# Altium PCB pcb_88.PcbDoc (part 2 of 3)
Units mil, origin at the board's own origin, x right, y up, seen from the top; angles counter-clockwise.
Board outline 3464.57 x 3464.57 mil, 4 copper layers (Top Layer, Layer 1, Layer 2, Bottom Layer), stack 61.772 mil thick; 395 components, 296 nets, 1218 pads, 390 vias.
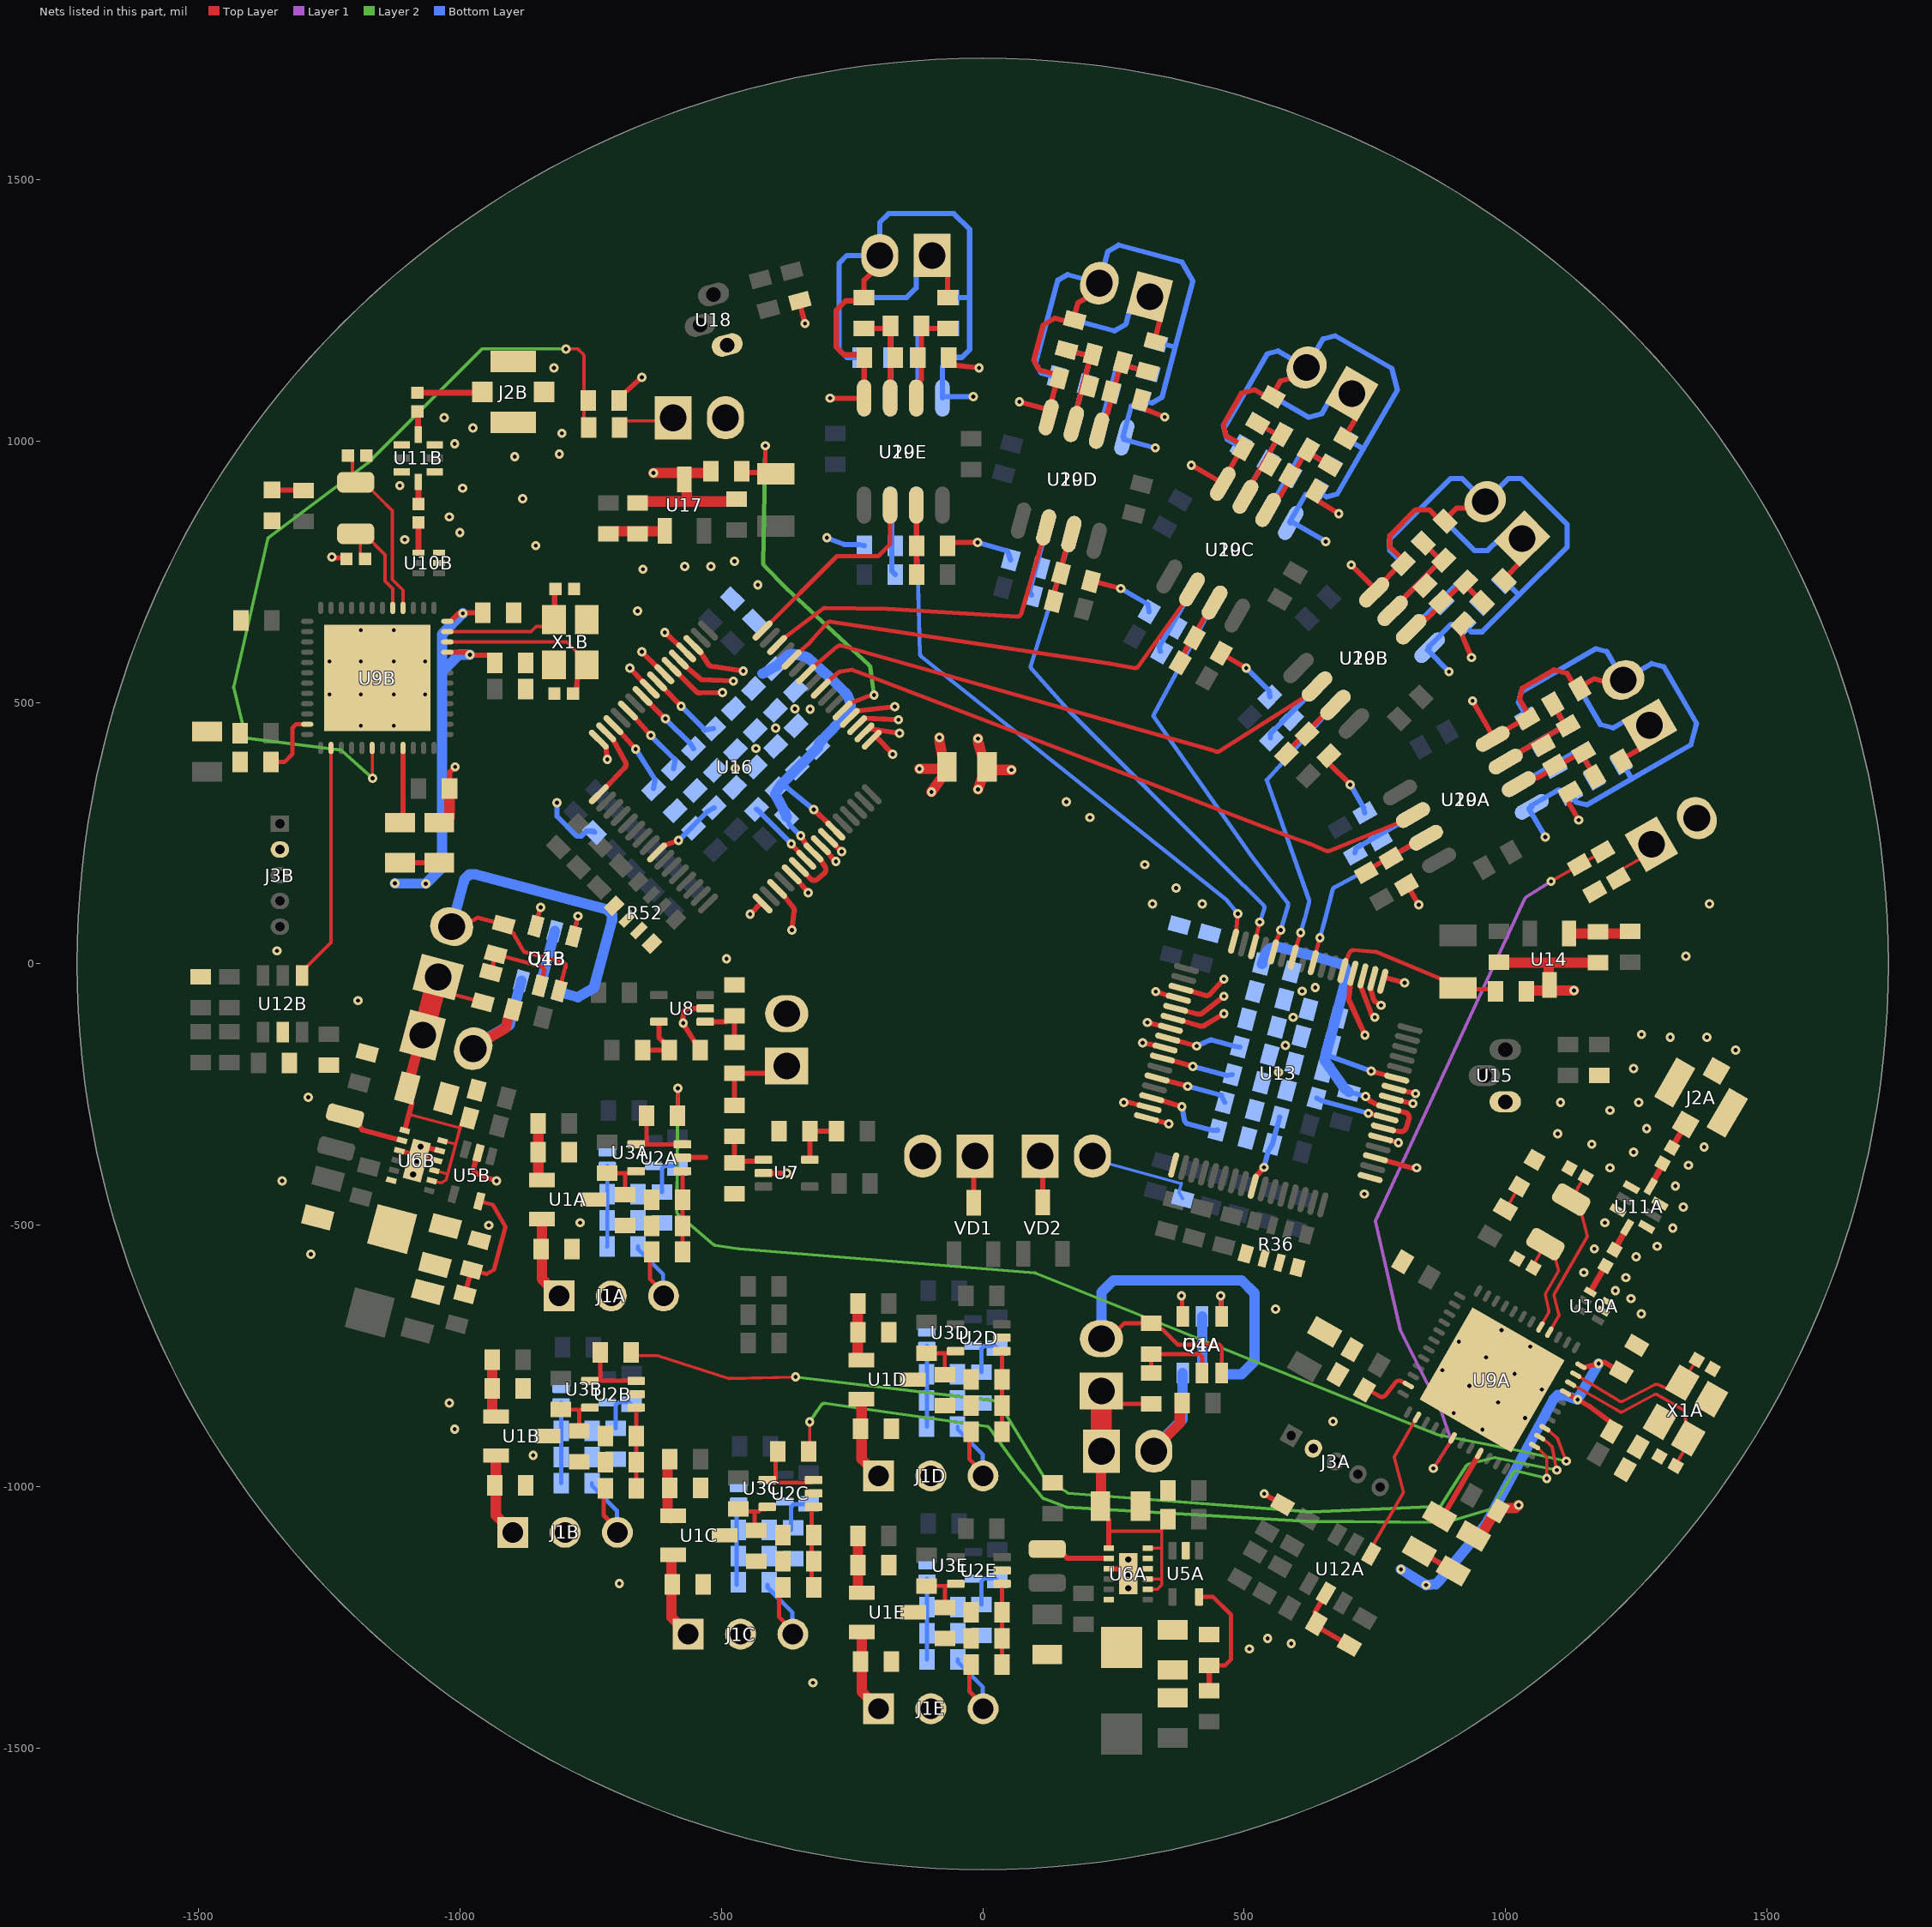
[diagram p4: the nets of this part, all layers, seen from the top]

## Via types
v1: diameter 17.72, hole 7.87, Top Layer to Bottom Layer, tented both sides, 360 vias
v2: diameter 17.72, hole 7.87, Top Layer to Bottom Layer, 24 vias
v3: diameter 19.68, hole 11.81, Top Layer to Bottom Layer, 6 vias

## Nets (pads, with @x,y where several pads share a name; then routed paths per layer and width w, separated by ;. In a path a pad name is that pad's centre, name@x,y a point inside that pad or via, vN(x,y) a via of type N, cw(c..) or ccw(c..) an arc to the next point about the centre after c; other vN are vias at no path point)
AGND: B1.2 C36.1 C37.1 C38.1 C39.1 C40.1 C41.1 C44.1 C45.1 C46.1 C47.2 C48.2 C49.2 C50.2 C51.1 C52.1 C53.1 C54.1 C55.1 C56.1 C59.1 C60.1 C61.1 C62.2 C63.2 C64.2 C65.2 C66A.1 C66B.1 C66C.1 C66D.1 C66E.1 C67A.1 C67B.1 C67C.1 C67D.1 C67E.1 C69A.2 C69B.2 C69C.2 C69D.2 C69E.2 C70A.1 C70B.1 C70C.1 C70D.1 C70E.1 C71A.1 C71B.1 C71C.1 C71D.1 C71E.1 C73A.2 C73B.2 C73C.2 C73D.2 C73E.2 P8A.2 P8B.2 P8C.2 P8D.2 P8E.2 R38.2 R51.2 R56A.1 R56B.1 R56C.1 R56D.1 R56E.1 R60A.1 R60B.1 R60C.1 R60D.1 R60E.1 U13.1 U13.2 U13.3 U13.4 U13.20 U13.23 U13.25 U13.32 U13.53 U13.57 U13.58 U14.3 U16.1 U16.2 U16.3 U16.4 U16.20 U16.23 U16.25 U16.32 U16.53 U16.57 U16.58 U17.3 U19A.4 U19B.4 U19C.4 U19D.4 U19E.4 U20A.4 U20B.4 U20C.4 U20D.4 U20E.4 | length 10372.8
  Top Layer w10: U16.32@-734.29,428.92 -721.06,415.7 v1(-718,391) ; v1(-675,566) -650.07,539.58 U16.25@-636.85,526.36 ; v1(-652,597) -622.24,567.42 U16.23@-609.01,554.2 ; v1(-608,634) -580.48,609.18 U16.20@-567.25,595.96 ; U16.53@-365.42,171.41 -352.2,158.19 -336.36,139.43 -336,139 v1(-334,136) ; U16.57@-309.74,227.09 -296.52,213.87 -285.54,199.36 -283,196 v1(-281,196) ; U16.58@-295.82,241.01 -282.6,227.79 v1(-270,215) ; v1(-292,1082) -227,1082 U20E.4@-227,1082.36 -226.76,1082.6 -226.76,1159.76 C73E.2@-226.53,1160 -231.53,1165 -265,1165 -280,1180 -280,1250 -261.69,1268.31 -233.21,1268.31 R60E.1@-227,1274.53 -227,1307.77 -197,1337.77 P8E.2@-197,1355 ; U16.4@-254.07,470.68 -240.84,483.91 v1(-168,492) ; U16.3@-240.15,456.76 -226.92,469.99 v1(-161,467) ; U16.2@-226.23,442.84 -218.75,450.32 -218,449.56 -209.49,448.33 v1(-159,441) ; U16.1@-212.31,428.92 -205.62,435.62 -170,400 v1(-172,401) ; C70E.1@-67.47,800 -57.71,806 v1(-10,806) ; C71E.1@-64.91,1160 -55.15,1145.32 v1(-7,1140) ; v1(70,1075) U20D.4@127.31,1059.65 ; U20D.4@123.52,1046.42 U20D.4@123.81,1046.58 ; U20D.4@125.99,1045.75 129.55,1059.04 U20D.4@127.31,1059.65 ; C70D.1@207,731.72 216.82,730.64 v1(264,718) ; P8D.2@223.06,1302 218.6,1285.36 181.86,1264.15 173.25,1232.04 165.64,1227.64 138.14,1235.01 115.71,1222.06 97.59,1154.45 108.2,1136.07 140.53,1127.41 144.07,1121.29 143.78,1121.12 U20D.4@127.31,1059.65 ; C71D.1@302.65,1078.79 308.28,1062.08 v1(348,1046) ; v1(306,-151) 330.7,-156.14 U13.25@348.77,-160.98 ; U13.32@313.1,-294.08 331.17,-298.92 v1(356,-306) ; v1(315,-112) 340.89,-118.11 U13.23@358.96,-122.95 ; v1(331,-53) 356.18,-61.07 U13.20@374.24,-65.91 ; v1(399,954) U20C.4@457.61,920.16 ; C70C.1@456.25,594.1 464.47,588.82 v1(504,566) ; U20C.4@457.06,919.68 457.38,919.77 U20C.4@457.61,920.16 ; U20C.4@459.27,918.4 459.62,919 U20C.4@457.61,920.16 ; P8C.2@619.35,1140.79 610.74,1125.87 569.76,1114.89 553.14,1086.1 544.65,1083.83 519.99,1098.06 494.98,1091.36 459.98,1030.74 465.47,1010.25 494.45,993.51 496.28,986.68 495.96,986.59 U20C.4@457.61,920.16 ; C71C.1@638.46,904.59 639.57,886.99 v1(681,861) ; C70B.1@661.9,398.3 661.71,384.29 v1(703,343) ; 700.27,-65.34 ccw(c710.22,-66.32) 701.12,-70.46 v1(731,-136) ; 700.27,-65.31 703.27,-35.87 U13.4@708.11,-17.8 ; v1(705,763) U20B.4@751.36,716.64 ; U13.3@727.12,-22.9 722.28,-40.96 743.43,-95.93 ccw(c752.77,-92.34) 749.09,-101.64 v1(750,-102) ; U13.2@746.14,-27.99 741.3,-46.06 746.98,-66.34 ccw(c756.61,-63.64) 751.16,-72.03 v1(762,-79) ; U20B.4@746.95,712.57 U20B.4@747.29,712.57 ; U20B.4@748.76,710.76 753,715 U20B.4@751.36,716.64 ; U13.53@761.31,-332.65 779.37,-337.49 v1(795,-342) ; U13.1@765.15,-33.09 767.23,-25.34 v1(807,-36) ; U13.57@781.68,-256.6 799.75,-261.44 v1(823,-267) ; U13.58@786.78,-237.58 804.84,-242.42 v1(828,-248) ; C70A.1@810.53,151.02 816.55,143.22 v1(834,113) ; C71B.1@918.27,651.05 914.79,633.76 v1(935,586) ; v1(937,503) U20A.4@976.87,433.95 ; P8B.2@960.95,884.14 948.77,871.96 906.34,871.96 882.83,848.46 874.05,848.46 853.91,868.59 828.01,868.59 778.52,819.09 778.52,797.88 802.19,774.21 802.19,767.14 801.85,767.14 U20B.4@751.36,716.64 ; U20A.4@974.02,432.58 974.34,432.49 U20A.4@976.87,433.95 ; U20A.4@975.3,430.36 978.03,431.94 U20A.4@976.87,433.95 ; C71A.1@1123.58,328.81 1117.48,314.01 v1(1140,275) ; P8A.2@1225.13,542.91 1210.21,534.3 1169.23,545.28 1140.44,528.66 1131.95,530.93 1117.71,555.59 1092.7,562.29 1032.08,527.3 1026.58,506.8 1043.32,477.82 1041.49,470.99 1041.17,471.07 U20A.4@976.87,433.95
  Top Layer w20: C60.1@-660.56,881.92 -650.88,884.6 -565.56,884.6 ; v1(-630,939) -524.85,939 R51.2@-520.09,942.39 ; U17.3@-570.56,926.61 -566.78,912 -565.56,884.6 ; C59.1@-470.56,889.36 -480.25,884.6 -565.56,884.6 ; v1(-9,334) -0.31,358.46 B1.2@8.39,377 ; v1(-9,431) ccw(c10.81,428.22) v1@-8.37,422.54 ; v1@-8.36,422.5 -0.31,395.54 B1.2@8.39,377 ; v1(55,371) 17.09,371 B1.2@8.39,377 ; C44.1@987.54,3.11 997.23,2.22 1082.39,2.22 ; R38.2@1039.84,-52.37 1044.61,-51 v1(1131,-51) ; U14.3@1084,-40.43 1082.39,-25.82 1082.39,2.22 ; C45.1@1177.25,2.17 1167.56,2.22 1082.39,2.22
  Bottom Layer w10: v1(-298,815) -265.71,802.65 ccw(c-262.15,812) -262.15,802 -236.29,802 C66E.1@-226.53,800 ; C67E.1@-226.53,1160 -260,1160 -275,1175 -275,1340 -260,1355 P8E.2@-197,1355 -197,1418 -180,1435 -55,1435 -25,1405 -25,1274.53 ; U19E.4@-77,1082.36 U19E.4@-77,1085 ; R56E.1@-65,1274.53 -25,1274.53 ; v1(-18,1085) U19E.4@-77,1085 ; v1(-10,806) 47.73,789.6 C66D.1@53.36,772.89 ; C67D.1@144.07,1121.29 111.73,1129.95 101.13,1148.32 143.83,1307.7 162.21,1318.31 P8D.2@223.06,1302 239.36,1362.85 260.18,1374.87 380.92,1342.52 402.14,1305.78 368.37,1179.75 ; v1(264,718) 315.63,688.19 C66C.1@318.5,673.63 ; U19D.4@268.4,1007.59 284.24,1066.7 298.36,1074.85 299.33,1078.48 299.63,1079.6 303.82,1078.48 324.24,1073.01 342.61,1083.62 368.37,1179.75 ; U19D.4@270.88,1006.93 269.86,1003.12 v1(330,987) ; R56D.1@329.73,1190.11 368.37,1179.75 ; C67C.1@496.28,986.68 467.3,1003.42 461.81,1023.91 544.31,1166.8 564.8,1172.29 P8C.2@619.35,1140.79 650.85,1195.35 674.08,1201.57 782.33,1139.07 793.31,1098.09 728.08,985.1 ; v1(504,566) 547.43,522.57 C66B.1@549.44,510.77 ; U19C.4@586.96,844.68 617.55,897.67 633.3,901.89 635.76,906.15 639.77,903.84 657.82,893.42 678.31,898.91 728.08,985.1 ; U19C.4@589.17,843.4 590.55,845.79 v1(656,808) ; R56C.1@693.43,1005.1 728.08,985.1 ; v1(703,343) 728.6,298.66 C66A.1@731,288.77 ; C67B.1@802.18,767.14 778.52,790.81 778.52,812.02 895.19,928.69 916.4,928.69 P8B.2@960.95,884.14 1005.5,928.69 1029.54,928.69 1117.93,840.3 1117.93,797.88 1025.67,705.62 ; U19B.4@853.02,606.51 896.28,649.77 912.59,649.77 916.07,653.25 920.54,648.78 934.08,635.24 955.29,635.24 1025.67,705.62 ; U19B.4@854.83,604.7 850.57,600.43 v1(892,559) ; R56B.1@997.39,733.9 1025.67,705.62 ; C67A.1@1041.49,470.99 1024.75,499.98 1030.24,520.47 1173.14,602.97 1193.63,597.47 P8A.2@1225.13,542.91 1279.69,574.42 1302.91,568.19 1365.41,459.94 1354.43,418.96 1241.44,353.72 ; U19A.4@1049.02,302.67 1102.01,333.27 1117.76,329.05 1121.01,330.93 1122.02,331.51 1125.77,325.01 1134.75,309.45 1155.25,303.96 1241.44,353.72 ; U19A.4@1050.3,300.46 1044.7,297.22 v1(1076,243) ; R56A.1@1221.44,388.36 1241.44,353.72 ; U19E.4@-77,1085 -77,1143.55 -65.47,1155.08 C69E.2@-65.47,1160 -40,1160 -25,1175 -25,1274.53
  other v1: 566,-207 579,-156 594,-102 611,-52 636,-45 -473,374 -434,412 -396,451 -330,487 -359,488
AIN1P_A: U13.16 U19E.6 | length 1124.9
  Top Layer w8: U13.16@479.94,43.34 484.78,61.4 v1(488,96)
  Bottom Layer w8: U19E.6@-127,877.64 -127,855.98 -120.09,593.72 ccw(c-112.09,593.93) -117.1,587.69 ; -117.08,587.67 465.93,123.16 v1(488,96)
AIN1P_B: U16.16 U20E.6 | length 387.2
  Top Layer w8: U16.16@-421.1,637.72 -278.81,780 -200,780 -177,803 U20E.6@-177,877.64
AIN2P_A: U13.14 U19D.6 | length 967
  Top Layer w8: U13.14@522.81,51.21 v1(530,80)
  Bottom Layer w8: U19D.6@169.6,822.12 163.99,801.21 92.34,571.35 ccw(c99.98,568.97) 93.99,563.66 167.87,481.15 ccw(c173.83,486.49) 168.14,480.86 464.01,184.99 535.97,113.5 cw(c530.72,107.47) 538.32,104.96 v1(530,80)
AIN2P_B: U16.14 U20D.6 | length 647.8
  Top Layer w8: U16.14@-380.04,623.1 -358.62,639.85 cw(c-347,625) -358.34,640.07 -306.14,679.33 cw(c-301.31,672.95) -301.21,680.95 ; -301.17,680.95 -182.17,679 cw(c-182.3,671) -181.85,678.99 65.54,664.38 ccw(c65.97,672.37) 69.58,665.23 69.74,665.31 ccw(c66.13,672.45) 73.78,670.11 73.79,670.16 115.69,814.15 U20D.6@121.3,835.06
AIN3P_A: U13.12 U19C.6 | length 785.4
  Top Layer w8: U13.12@555.99,22.96 560.83,41.02 v1(570,65)
  Bottom Layer w8: U19C.6@443.51,691.1 432.69,672.35 326.17,474.37 514.91,205.13 ccw(c521.44,209.75) 515.1,204.87 582.47,118.26 cw(c576.15,113.35) 583.82,111.08 ; v1(570,65) 583.81,111.05
AIN3P_B: U16.12 U20C.6 | length 880.8
  Top Layer w8: U16.12@-365.42,582.04 U16.12@-352.26,595.2 ; U16.12@-352.23,595.23 cw(c-346.63,589.51) U16.12@-351.93,595.51 ; U16.12@-351.93,595.51 -334.53,610.86 ccw(c-347,625) -332.86,612.53 -316.14,631.47 cw(c-302,619) -316.09,631.54 -298.06,651.79 cw(c-292.09,646.47) -297.74,652.13 cw(c-292.09,646.47) -290.9,654.39 239.84,575.02 cw(c238.66,567.11) 240.07,574.99 cw(c238.72,567.1) 240.14,574.97 289.91,565.93 ccw(c291.3,573.8) 294.55,566.49 294.67,566.55 ccw(c291.42,573.86) 297.88,569.14 ; 297.91,569.18 389.38,697.35 U20C.6@400.21,716.1
AIN4P_A: U13.10 U19B.6 | length 552
  Top Layer w8: U13.10@594.02,12.77 598.86,30.83 v1(608,60)
  Bottom Layer w8: v1(608,60) 616.05,86.53 ccw(c598,92) 616.24,87.2 618.76,96.8 cw(c637,92) 618.78,96.87 624.29,117.49 cw(c632.02,115.43) 624.3,117.54 ; 624.32,117.58 ccw(c616.61,119.73) 624.15,122.4 543.14,351.69 659.4,479.98 U19B.6@674.71,495.29
AIN4P_B: U16.10 U20B.6 | length 1063.8
  Top Layer w8: U16.10@-337.58,554.2 -324.36,567.42 -278.26,607.19 cw(c-273.03,601.13) -270.86,608.83 434.82,410.05 ; 434.85,410.04 cw(c432.65,402.35) 435.18,409.94 446.3,406.23 ; 446.33,406.22 ccw(c448.83,413.82) 453.11,407.06 624.04,515.33 U20B.6@639.36,530.65
AIN5P_A: U13.8 U19A.6 | length 349.4
  Top Layer w8: U13.8@632.05,2.58 636.89,20.64 v1(645,50)
  Bottom Layer w8: v1(645,50) 655.18,87 ccw(c637,92) 655.27,87.34 669.1,141.59 cw(c676.86,139.61) 669.12,141.65 ; 669.13,141.68 cw(c676.86,139.61) 673.06,146.66 829.25,230.57 U19A.6@848,241.4
AIN5P_B: U16.8 U20A.6 | length 1223.7
  Top Layer w8: U16.8@-309.74,526.36 -296.52,539.58 -275.79,557.46 cw(c-270.56,551.4) -271.66,559.32 -249.4,562.4 -211.76,548.4 569.9,250.04 ccw(c572.79,257.5) 570.02,249.99 624.74,230.09 624.79,230.07 cw(c621.97,222.59) 624.9,230.03 625.05,229.98 cw(c622.12,222.53) 625.23,229.9 656.81,216.37 ccw(c659.93,223.74) 660.07,215.74 660.25,215.74 ccw(c660.09,223.74) 663.04,216.3 ; 663.07,216.31 804.25,273.87 U20A.6@823,284.7
AIN6N_A: R37.2 R38.1 U13.5 | length 333.4
  Top Layer w8: U13.5@689.09,-12.71 693.93,5.36 701.65,21.95 cw(c708.9,18.57) 709.55,26.55 751.66,23.11 ; 751.68,23.11 cw(c751.01,15.14) 754.09,22.52 877.75,-29.14 R37.2@909.18,-45.81 940.61,-48.69 970.03,-48.69 R38.1@980.79,-52.37
AIN6N_B: R50.2 R51.1 U16.5 | length 762.2
  Top Layer w8: v1(-416,991) -416,954.26 R50.2@-395.56,937.59 ; U16.5@-267.98,484.6 -254.76,497.82 -219.74,511.71 cw(c-216.79,504.27) -218.22,512.14 v1(-208,514)
  Top Layer w10: R51.1@-461.03,942.39 -451.27,939.82 -426,939.82 R50.2@-395.56,937.59
  Layer 2 w8: -417.69,761.64 cw(c-411.94,767.2) -419.94,767.38 v1(-416,991) ; -417.66,761.61 -375.16,718.16 ccw(c-369.41,723.73) -374.89,717.9 ; -374.86,717.87 -217.12,570.97 cw(c-222.57,565.12) -214.64,566.15 v1(-208,514)
DoneA: U9A.26 U12A.4 | length 293
  Top Layer w6: U12A.4@742.87,-1128.64 740.96,-1121.51 804.94,-1010.7 786.78,-942.93 U9A.26@830.53,-867.15
DoneB: U9B.26 U12B.4 | length 457.9
  Top Layer w6: U12B.4@-1301.67,-21.96 -1301.67,-14.08 -1246.58,41 U9B.26@-1246.58,413.14
GND: B1.1 C1A.1 C1B.1 C1C.1 C1D.1 C1E.1 C2A.1 C2B.1 C2C.1 C2D.1 C2E.1 C3A.1 C3B.1 C3C.1 C3D.1 C3E.1 C4A.2 C4B.2 C4C.2 C4D.2 C4E.2 C5A.1 C5B.1 C5C.1 C5D.1 C5E.1 C6A.1 C6B.1 C6C.1 C6D.1 C6E.1 C7A.2 C7B.2 C7C.2 C7D.2 C7E.2 C8A.1 C8B.1 C8C.1 C8D.1 C8E.1 C10A.1 C10B.1 C11A.1 C11B.1 C12A.1 C12B.1 C13A.1 C13B.1 C14A.1 C14B.1 C15A.1 C15B.1 C16A.1 C16B.1 C17A.1 C17B.1 C18A.1 C18B.1 C19A.1 C19B.1 C20A.1 C20B.1 C21A.1 C21B.1 C22A.1 C22B.1 C25A.1 C25B.1 C26A.1 C26B.1 C27A.1 C27B.1 C28A.1 C28B.1 C29A.1 C29B.1 C30A.2 C30B.2 C31A.1 C31B.1 C32.1 C33.1 C34.1 C35.1 C42.2 C43.2 C57.2 C58.2 C74.2 C75.2 C76.1 C77.1 D2.2 D3.2 J1A.2 J1B.2 J1C.2 J1D.2 J1E.2 J2A.2 J2A.3 J2A.4 J2B.2 J2B.3 J2B.4 J3A.2 J3B.2 P1A.2 P1B.2 P2.2 P3.2 P4.2 P5.2 P7.2 Q1A.3 Q1B.3 R9A.2 R9B.2 R11A.1 R11B.1 R14A.1 R14B.1 R18A.1 R18B.1 R34.2 R36.5 R36.6 R36.7 R36.8 R39.2 R47.2 R49.2 R52.5 R52.6 R52.7 R52.8 R66.2 R67.2 U1A.3 U1B.3 U1C.3 U1D.3 U1E.3 U2A.2 U2B.2 U2C.2 U2D.2 U2E.2 U3A.2 U3B.2 U3C.2 U3D.2 U3E.2 U5A.2 U5B.2 U6A.3 U6A.10 U6A.11 U6A.13 U6B.3 U6B.10 U6B.11 U6B.13 U7.2 U8.2 U9A.49 U9B.49 U10A.5 U10A.6 U10B.5 U10B.6 U11A.1 U11A.3 U11A.5 U11A.7 U11B.1 U11B.3 U11B.5 U11B.7 U12A.2 U12B.2 U13.31 U13.33 U13.41 U13.49 U13.51 U15.1 U16.31 U16.33 U16.41 U16.49 U16.51 U18.1 X1A.2 X1A.4 X1B.2 X1B.4 | length 2787.6
  Top Layer w10: v1(-1245.05,778.05) -1243.57,776.57 -1218.91,776.57 C29B.1@-1217.05,774.72 ; U6B.3@-1115.89,-356.85 -1111.35,-358.6 -1092.18,-363.73 v3(-1082.31,-376.04) -1067.61,-370.32 -1048.45,-375.45 U6B.10@-1043.64,-376.21 ; v3(-1075.18,-349.42) -1062.52,-351.3 -1043.35,-356.44 U6B.11@-1038.54,-357.2 ; C18B.1@-1019.81,335.39 -1019.81,366.33 v1(-1009.14,377) ; U5B.2@-964.57,-361.54 -968.77,-372.56 -973.32,-389.56 ccw(c-963.66,-392.15) -967.04,-401.56 v1(-930,-415) ; U16.33@-734.29,324.53 -721.06,337.75 -685.15,374.73 ccw(c-692.33,381.7) -683.54,386.47 ; U16.31@-720.37,442.84 -707.14,429.62 -683.56,386.5 ; C35.1@-695.21,1077.48 -685.45,1092.17 v1(-652,1122) ; U2B.2@-662.73,-822.95 U2B.2@-651,-824.82 ; U16.41@-622.93,213.17 -609.71,226.4 -588,234.27 ccw(c-591.41,243.67) -586.73,234.84 cw(c-582.05,226) v1(-582,236) ; U2A.2@-574.39,-370.71 -562.65,-370 -530,-370 ; v1@-574.23,-106.13 ccw(c-564.41,-108.06) v1(-572.94,-113.28) -550.24,-150.32 C77.1@-540.47,-165 ; v1@-574.22,-106.09 -571.62,-93.08 cw(c-561.8,-95) -561.8,-85 -542.44,-85 U8.2@-530.71,-85 ; v1(-445,95) -422.68,117.32 U16.49@-421.1,115.74 ; U7.2@-419.29,-400 v1(-375,-400) ; U16.51@-393.26,143.58 -380.04,130.35 -362.6,108.29 ; v1(-365,65) -360.52,100.84 ccw(c-370.44,102.08) -362.57,108.25 ; C74.2@-349.99,1268.07 -348.66,1258.32 -340.34,1227.25 -340,1226 v1(-340,1225) ; U6A.3@241.03,-1156.63 245.87,-1157.14 265.72,-1157.14 v3(278.43,-1166.47) ; 280,-265 300.14,-270.22 U13.31@318.2,-275.06 ; U13.41@517.42,-425.25 522.26,-407.18 v1(538,-389) ; v1@538.25,-1012.61 538.61,-1013.96 C30A.2@573.56,-1034.14 ; U12A.2@656.34,-1203.7 635.8,-1239.29 640.58,-1257.13 C31A.1@638.11,-1261.39 639.77,-1267.58 R18A.1@701.21,-1303.05 ; U13.51@751.12,-370.68 769.18,-375.52 818.66,-389.62 ; 818.68,-389.62 ccw(c821.4,-380) 821.4,-390 v1(830,-390)
  Top Layer w20: C20B.1@-1039.34,270.39 -1029.5,270.39 -1019.81,280.07 C18B.1@-1019.81,335.39 ; P1B.2@-974.68,-162.13 -973.64,-158.24 -912.76,-123.09 -904.09,-90.73 R9B.2@-898.26,-87.36 ; v1(-121,373) -77.09,373 B1.1@-68.39,377 ; v1(-98,329) -77.09,358.46 B1.1@-68.39,377 ; v1(-83,433) -83,429.81 ccw(c-63,429.81) v1@-82.68,426.23 ; v1@-82.68,426.22 -77.09,395.54 B1.1@-68.39,377 ; P1A.2@327.03,-932 327.03,-927.97 376.74,-878.26 376.74,-844.76 R9A.2@381.5,-840 ; C20A.1@938.63,-1094.4 953.48,-1092.93 977.11,-1052 C18A.1@986.08,-1046 991.6,-1040.47 1019.53,-1040.47 v1(1025,-1035)
  Bottom Layer w6: P5.2@210.05,-367.58 210.05,-373.48 380,-420 375.39,-437.2 R34.2@382.67,-449.26
  Bottom Layer w10: v1(-814.4,308.6) -814.4,282.4 -776.14,244.14 -767.86,244.14 -758.21,253.79 -744.41,253.79 R47.2@-742.27,251.65 ; v1(-582,236) -526.86,291.14 C57.2@-513.59,298.64 ; v1(538,-389) 546.32,-357.95 C43.2@554.11,-344.83 557.91,-330.65 564.13,-307.44 C42.2@567.93,-293.25
  Bottom Layer w20: P1B.2@-974.68,-162.13 -973.15,-156.43 -905.39,-117.3 Q1B.3@-882.59,-32.21 ; P1A.2@327.03,-932 327.03,-926.09 382.36,-870.76 Q1A.3@382.36,-782.67
  other v1: -325,-1375 510,-1310 590,-1300 545,-1290 -695,-1185 538.43,-1013.29 -860,-940 -1010,-890 670,-875 -1020,-840 1259.84,-669.29 560,-660 1240,-640 1210,-625 1230,-600 1150,-590 1250,-560 -1285,-555 1170,-545 1290,-540 1320,-505 -945,-500 -770,-495 1190,-495 1340,-465 730,-440 1325,-425 -1340,-415 1200,-390 1350,-385 1245,-360 1380,-350 1165,-345 1100,-325 1270,-315 1200,-280 270,-265 1105,-265 1255,-265 -1290,-255 1245,-200 1440,-165 1315,-140 1385,-140 1260,-135 -1195,-70 -490,10 1345,15 -1350,25 325,115 420,115 1390,115 370,145 310,190 205,280 160,310 -660,675 -430,725 -650,755 -570,760 -520,760 -475,770 -855,800 -1105.65,811.48 -1000,825 -1020,855 -880,890 -995,910 -1115,915 -895,970 -810,975 -1010,995 -805,1015 -975,1025 -1030,1045 -820,1140
  other v2: 955.8,-890.61 1037.63,-868.68 901.01,-858.97 985.76,-838.73 1069.26,-813.89 930.96,-807.1 1017.39,-783.94 879.09,-777.15 962.6,-752.3 1047.34,-732.06 910.72,-722.35 992.55,-700.43 -1189.63,455.46 -1126.37,455.46 -1249.54,515.37 -1189.63,515.37 -1126.37,515.37 -1066.46,515.37 -1249.54,578.63 -1189.63,578.63 -1126.37,578.63 -1066.46,578.63 -1189.63,638.54 -1126.37,638.54
  other v3: 278.43,-1194.03 278.43,-1138.91 -1089.44,-402.66
NetBT1A_1: BT1A.1 C10A.2 P1A.1 R8A.1 R10A.2 U6A.1 U6A.8 U6A.9 U6A.12 | length 729.7
  Top Layer w6: 241.03,-1090.06 246.09,-1085 342.12,-1085 ; U6A.8@315.83,-1196 334,-1196 342.12,-1187.88 342.12,-1175 ; U6A.9@315.83,-1176.32 340.8,-1176.32 342.12,-1175 ; U6A.12@315.83,-1117.26 339.86,-1117.26 342.12,-1115 ; R10A.2@353.88,-1062 342.12,-1073.76 342.12,-1085 ; 342.12,-1175 342.12,-1115 ; 342.12,-1115 342.12,-1085
  Top Layer w8: BT1A.1@227.03,-817 251.56,-841.53 R8A.1@322.03,-841.53
  Top Layer w10: C10A.2@225.02,-1037 225.02,-1046.84 241.03,-1062.85 241.03,-1090.06 U6A.1@241.03,-1117.26
  Top Layer w20: C10A.2@225.02,-1037 226.43,-1018.46 226.43,-963.34 P1A.1@227.03,-932
  Top Layer w40: P1A.1@227.03,-932 BT1A.1@227.03,-817
NetBT1A_2: BT1A.2 C9A.1 Q1A.1 U4A.6 | length 917.4
  Top Layer w8: BT1A.2@227.03,-717 240.96,-717 270.49,-687.47 C9A.1@322.03,-687.47 332.8,-698.24 343.24,-698.24 373,-728 452.48,-728 457.17,-732.69 U4A.6@457.17,-782.67
  Bottom Layer w20: BT1A.2@227.03,-717 227.03,-627.97 250,-605 495,-605 520,-630 520,-760 495,-785 458.98,-785 457.17,-783.19 Q1A.1@457.17,-782.67
NetBT1B_1: BT1B.1 C10B.2 P1B.1 R8B.1 R10B.2 U6B.1 U6B.8 U6B.9 U6B.12 | length 729.8
  Top Layer w6: -1098.66,-292.54 -1092.47,-288.97 -999.71,-313.82 ; U6B.8@-1053.83,-414.24 -1036.28,-418.94 -1026.34,-413.2 -1023,-400.76 ; U6B.9@-1048.73,-395.22 -1024.61,-401.69 -1023,-400.76 ; U6B.12@-1033.45,-338.18 -1010.24,-344.4 -1007.47,-342.8 ; R10B.2@-982.39,-294.65 -996.8,-302.97 -999.71,-313.82 ; -1023,-400.76 -1007.47,-342.8 ; -1007.47,-342.8 -999.71,-313.82
  Top Layer w8: BT1B.1@-1041.51,-25.17 -1024.17,-55.21 R8B.1@-956.1,-73.45
  Top Layer w10: U6B.1@-1105.7,-318.82 -1098.66,-292.54 -1091.62,-266.27 -1102.94,-246.66 C10B.2@-1100.39,-237.15
  Top Layer w20: C10B.2@-1100.39,-237.15 P1B.1@-1078.74,-156.34
  Top Layer w40: P1B.1@-1078.74,-156.34 P1B.1@-1071.28,-136.25 BT1B.1@-1041.51,-25.17
NetBT1B_2: BT1B.2 C9B.1 Q1B.1 U4B.6 | length 922.8
  Top Layer w8: BT1B.2@-1015.63,71.42 -1002.17,67.82 -966.01,88.7 C9B.1@-916.22,75.36 -908.61,62.18 -898.53,59.47 -879.22,26.03 -878.69,25.11 -876.43,22.85 -801.81,2.86 -797.95,-1 -797.95,-5.37 -798.23,-6.38 U4B.6@-810.33,-51.57
  Bottom Layer w20: BT1B.2@-1015.63,71.42 -992.78,156.71 -991.39,161.89 -981.74,171.54 -970.82,171.54 -718.76,104 -709.11,94.35 -709.11,83.43 -709.79,80.89 -743.77,-45.94 -774.39,-63.61 -809.19,-54.29 -810.47,-52.07 Q1B.1@-810.33,-51.57
NetC1A_2: C1A.2 J1A.1 U1A.2 | length 160.3
  Top Layer w20: U1A.2@-842.89,-488.11 -842.89,-602.64 J1A.1@-810.53,-635
NetC1B_2: C1B.2 J1B.1 U1B.2 | length 160.3
  Top Layer w20: U1B.2@-931.24,-940.35 -931.24,-1054.88 J1B.1@-898.87,-1087.24
NetC1C_2: C1C.2 J1C.1 U1C.2 | length 160.3
  Top Layer w20: U1C.2@-595.5,-1134.97 -595.5,-1249.5 J1C.1@-563.14,-1281.86
NetC1D_2: C1D.2 J1D.1 U1D.2 | length 160.3
  Top Layer w20: U1D.2@-231.74,-832.4 -231.74,-946.93 J1D.1@-199.38,-979.29
NetC1E_2: C1E.2 J1E.1 U1E.2 | length 160.3
  Top Layer w20: U1E.2@-231.46,-1277.52 -231.46,-1392.05 J1E.1@-199.1,-1424.41
NetC2A_2: C2A.2 R1A.2 U1A.1 | length 113.3
  Top Layer w20: R1A.2@-850.05,-305 -850.06,-409.53 -846.28,-413.31 U1A.1@-842.89,-413.31
NetC2B_2: C2B.2 R1B.2 U1B.1 | length 113.3
  Top Layer w20: R1B.2@-938.4,-757.24 -938.4,-861.77 -934.62,-865.55 U1B.1@-931.24,-865.55
NetC2C_2: C2C.2 R1C.2 U1C.1 | length 113.3
  Top Layer w20: R1C.2@-602.67,-951.86 -602.67,-1056.39 -598.89,-1060.17 U1C.1@-595.5,-1060.17
NetC2D_2: C2D.2 R1D.2 U1D.1 | length 113.3